# Altium PCB BDCMC_PCB.PcbDoc (part 1 of 2)
Units mil, origin at the board's own origin, x right, y up, seen from the top; angles counter-clockwise.
Board outline 3500 x 2000 mil, 4 copper layers (Top Layer, Mid Layer 1, Mid Layer 2, Bottom Layer), stack 78.937 mil thick; 114 components, 60 nets, 403 pads, 677 vias.
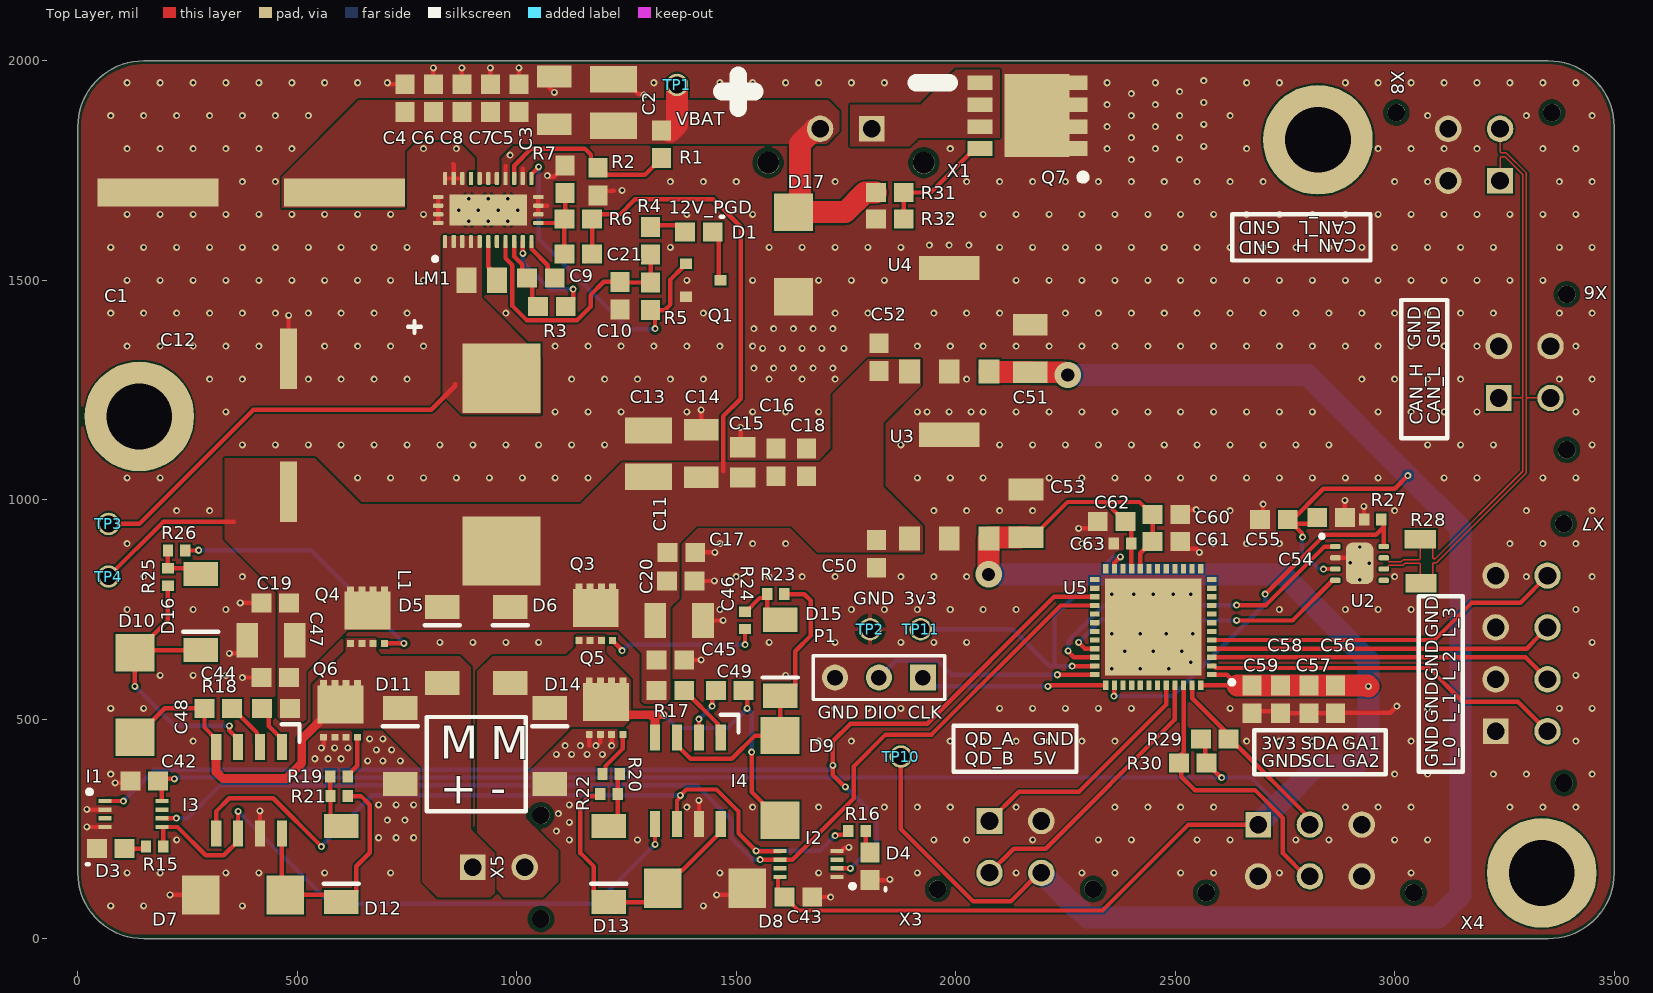
[diagram p0: Top Layer view]
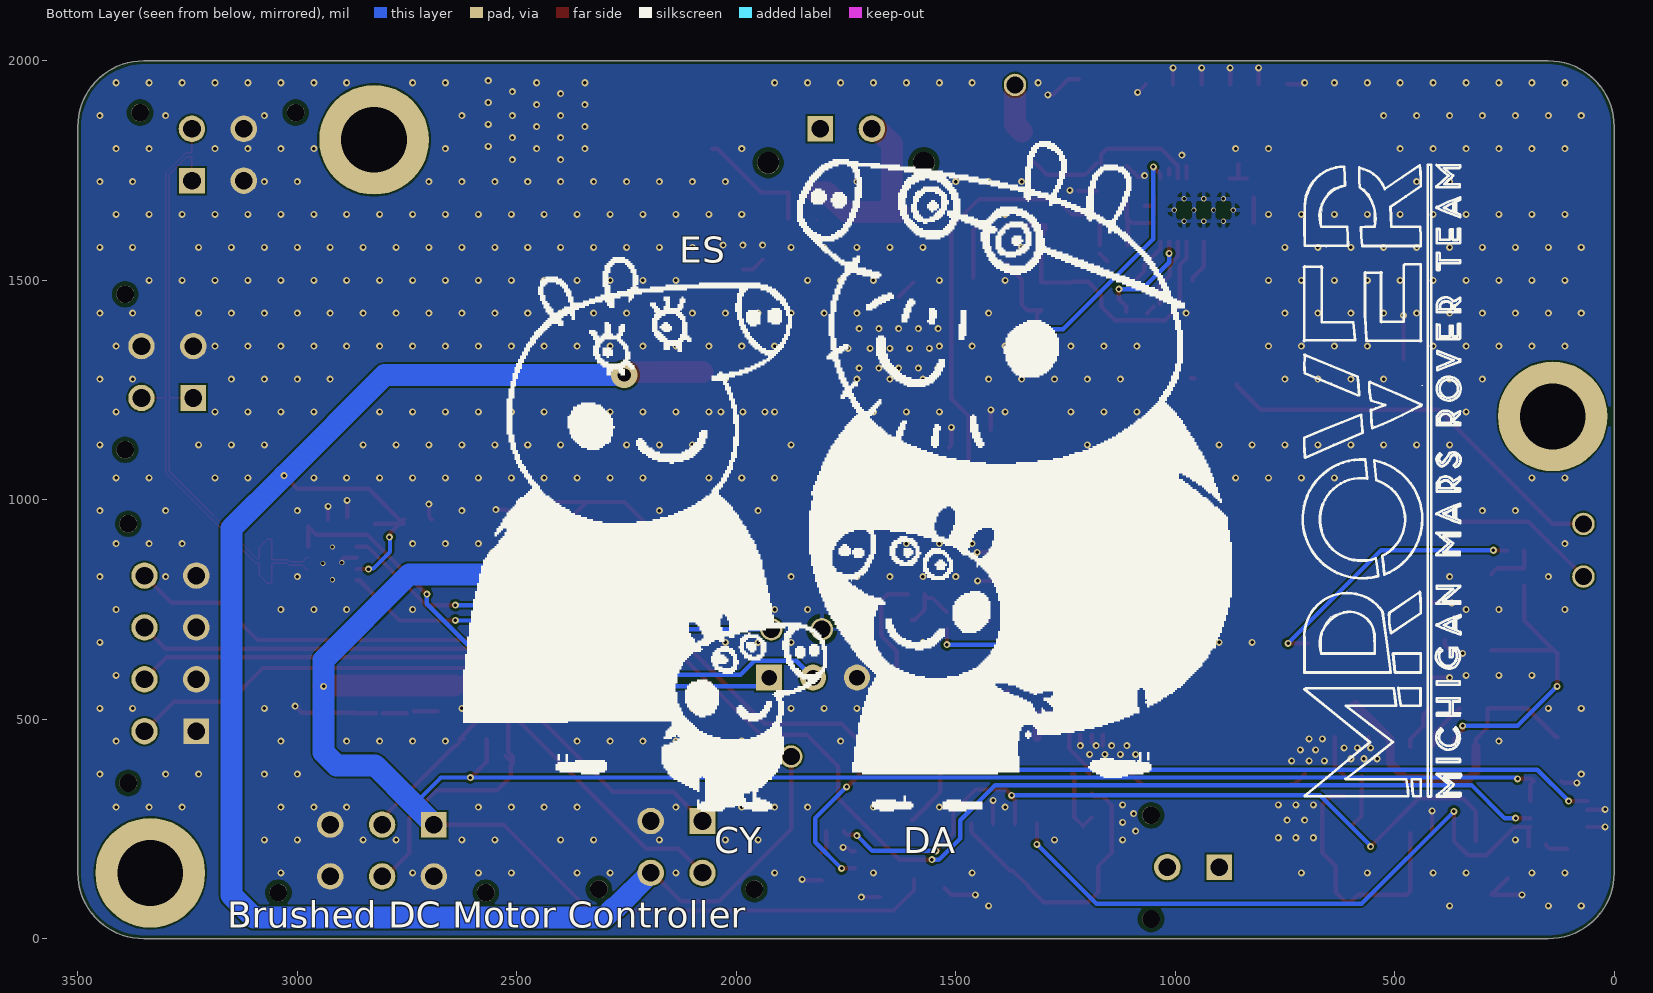
[diagram p1: Bottom Layer view, seen from below]
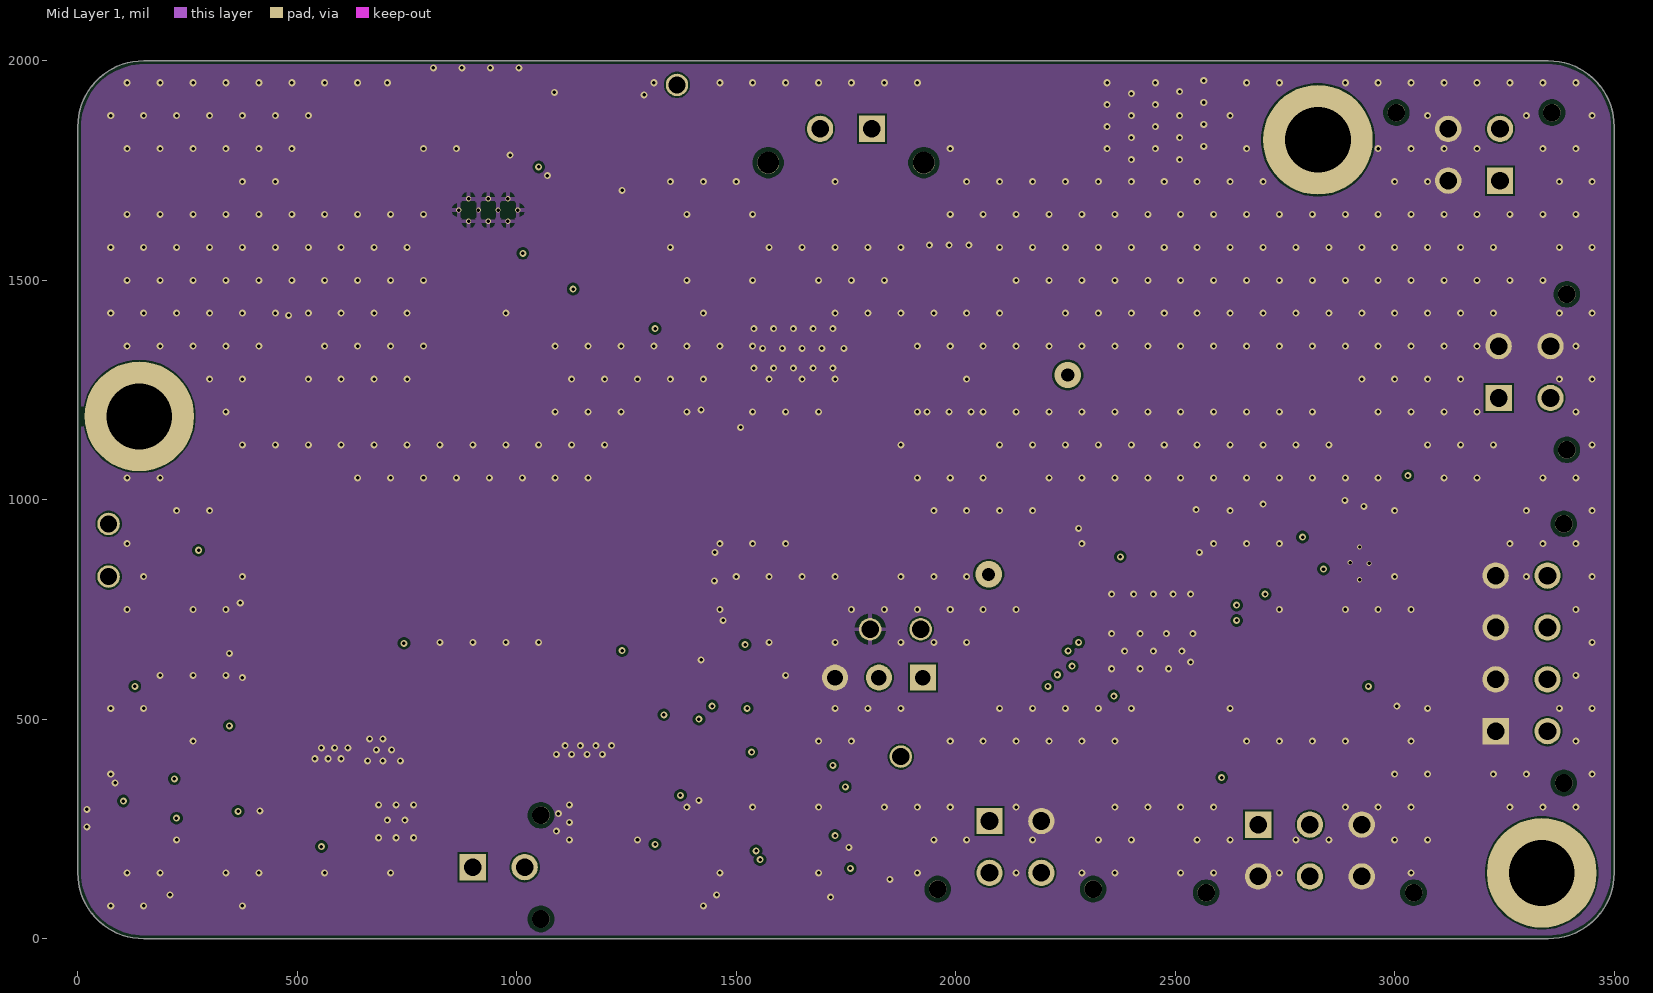
[diagram p2: Mid Layer 1]
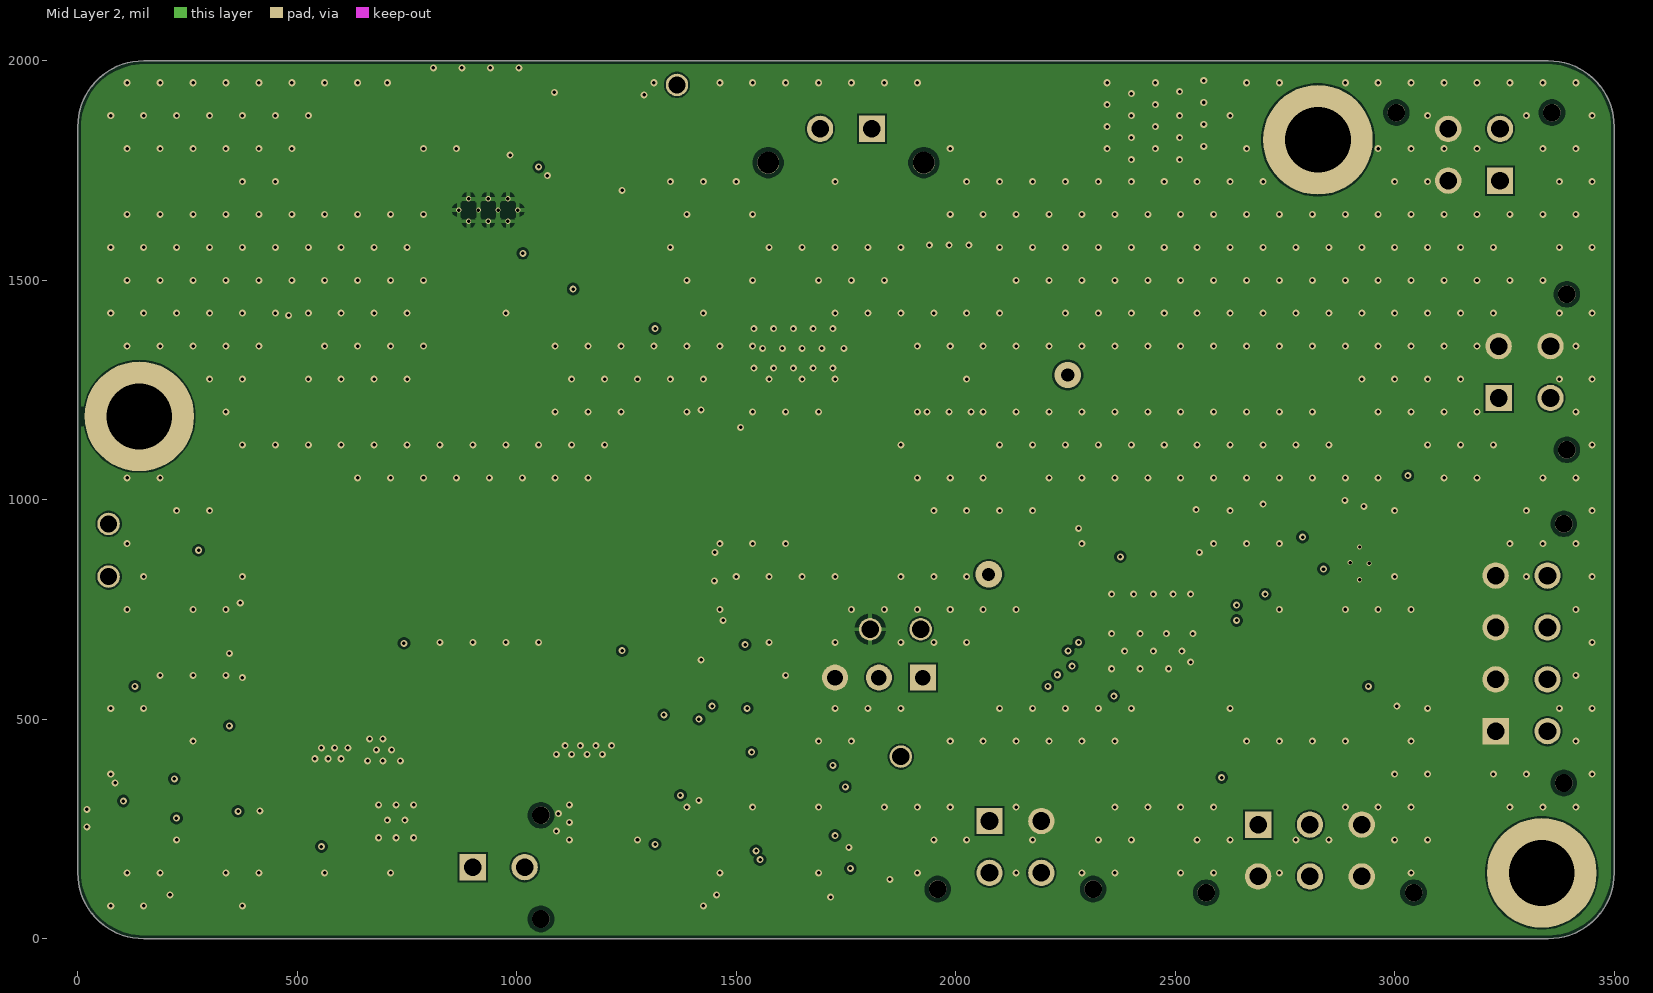
[diagram p3: Mid Layer 2]
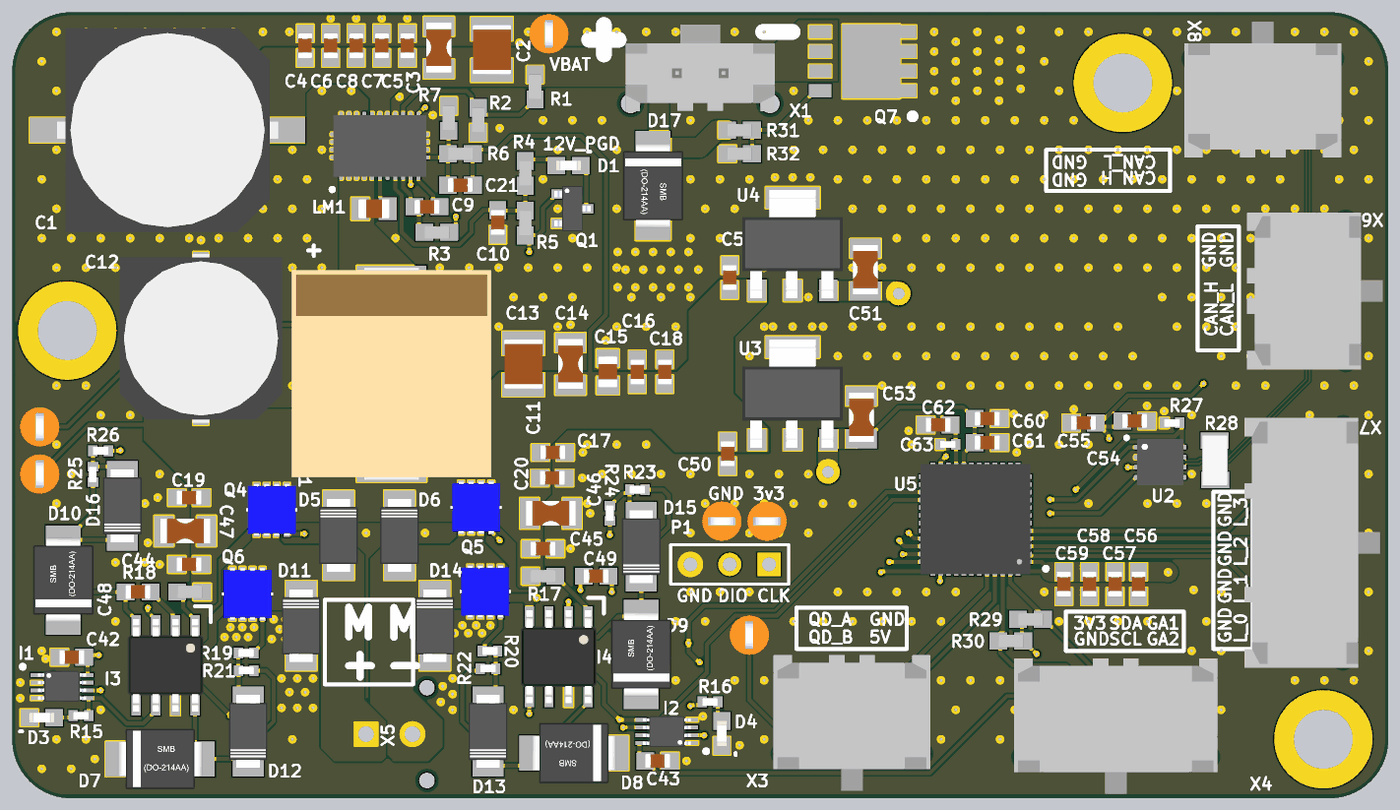
[diagram p5: 3D render of the assembled board from above, using the file's embedded part models]

## Layer stack, top to bottom
Top Solder: solder mask 0.5, Solder Resist, Dk 3.8
Top Layer: signal copper 1.378
Dielectric 1: prepreg 7.874, 7628, Dk 4.6
Mid Layer 1: signal copper 1.378
Core: core 57.677, FR-4, Dk 4.5
Mid Layer 2: signal copper 1.378
Dielectric 2: prepreg 7.874, 7628, Dk 4.6
Bottom Layer: signal copper 1.378
Bottom Solder: solder mask 0.5, Solder Resist, Dk 3.8

## Board outline
0,150 0,1850 cw(c150,1850) 150,2000 3350,2000 cw(c3350,1850) 3500,1850 3500,150 cw(c3350,150) 3350,0 150,0 cw(c150,150)

## Design rules (kind name [scope] priority, off if disabled: settings)
BoardOutlineClearance [All] p1: gap=7.87 ignorepadtopadclearanceinfootprint=FALSE
Clearance [All] p1: gap=4 ignorepadtopadclearanceinfootprint=FALSE except(5: Arc-Via Track-Via SMDPad-Via THPad-Via Via-Via Via-Fill Via-Poly Via-Region Via-Text; 9.84: Arc-Hole Track-Hole SMDPad-Hole THPad-Hole Via-Hole Fill-Hole Poly-Hole Region-Hole Text-Hole)
ComponentClearance [All] p1: gap=4 collisioncheckmode=3 verticalgap=4 showdistances=TRUE
DiffPairsRouting [All] p1: maxlimit=5 minlimit=5 mostfreqgap=5 toplayer_minwidth=3.45 toplayer_maxwidth=3.45 toplayer_prefwidth=3.45 midlayer1_minwidth=0.95 midlayer1_maxwidth=0.95 midlayer1_prefwidth=0.95 midlayer2_minwidth=0.95 midlayer2_maxwidth=0.95 midlayer2_prefwidth=0.95 bottomlayer_minwidth=3.45 bottomlayer_maxwidth=3.45 bottomlayer_prefwidth=3.45 impedanceprofiledriven=TRUE impedanceprofileid={AAC472AD-667E-4645-8B1B-D876D1541575} impedanceprofilevalue=120.000000 maxuncoupledlength=500
Height [All] p1: minheight=0 maxheight=71497.94 prefheight=500
HoleSize [All] p1: absolutevalues=TRUE maxlimit=248.03 minlimit=7.87 maxpercent=80.000 minpercent=20.000
HoleToHoleClearance [All] p1: gap=9.84 allowstackedmicrovias=FALSE
MinimumAnnularRing [All] p1: minimumring=1
MinimumSolderMaskSliver [All] p1: minsoldermaskwidth=0
PlaneClearance [All] p1: clearance=4
PlaneConnect PlaneConnectPowerPads [InPadClass('PowerPads')] p1: planeconnectstyle=Direct reliefexpansion=20 reliefentries=4 reliefconductorwidth=10 reliefairgap=10
PlaneConnect [All] p2: pad.planeconnectstyle=Relief pad.reliefexpansion=11.81 pad.reliefentries=4 pad.reliefconductorwidth=4 pad.reliefairgap=4 via.planeconnectstyle=Direct via.reliefexpansion=11.81 via.reliefentries=4 via.reliefconductorwidth=5 via.reliefairgap=5
PolygonConnect PolygonConnectPowerPads [All vs (InPadClass('PowerPads'))] p1: connectstyle=Direct reliefconductorwidth=10 reliefentries=4 polygonreliefangle="90 Angle" airgapwidth=10
PolygonConnect [All] p2: connectstyle=Direct reliefconductorwidth=4 reliefentries=4 polygonreliefangle="90 Angle" airgapwidth=4
RoutingVias [All] p1: holewidth=7.87 width=17.72 viastyle="Through Hole" minholewidth=7.87 minwidth=17.72 maxholewidth=248.03 maxwidth=257.87
SilkToSilkClearance [All] p1: silktosilkclearance=0
SilkToSolderMaskClearance [IsPad] p1: minsilkscreentomaskgap=4 clearancetoexposedcopper=TRUE
SolderMaskExpansion [All] p1: expansion=2.95 istentingtop=FALSE
Width [InNet('CAN_N')] p1: maxlimit=71497.94 minlimit=4 preferedwidth=4
20 further rules are at their usual default settings.

## Classes and differential pairs
component class MCU_CAN: C50 C51 C52 C53 C54 C55 C56 C57 C58 C59 C60 C61 C62 C63 P1 R27 R28 R29 R30 TP10 TP11 U2 U3 U4 U5
component class HBridge_Top_Level: C42 C43 D3 D4 I1 I2 R15 R16
component class HBridge_Design: C44 C45 C46 C47 C48 C49 D5 D6 D7 D8 D9 D10 D11 D12 D13 D14 D15 D16 I3 I4 Q3 Q4 Q5 Q6 R17 R18 R19 R20 R21 R22 R23 R24 R25 R26
component class Connectors: D17 Q7 R31 R32 X1 X3 X4 X5 X6 X7 X8
component class Motor_12V_Buck: 3 C1 C2 C3 C4 C5 C6 C7 C8 C9 C10 C11 C12 C13 C14 C15 C16 C17 C18 C19 C20 C21 D1 L1 LM1 Q1 R1 R2 R3 R4 R5 R6 R7 TP1 TP2 TP3 TP4
differential pair CAN: +CAN_P -CAN_N

## Components (designator, comment, footprint, x,y, rotation, side; value= is the part's Value field where it differs from the comment)
C1 "100SEV100M12.5X16" ELEC-100U-0001 395,1700 r270 top
C2 "C3225X7R1N106K250AC" CAP-1210 1220,1905 r90 top
C3 "CL31B105KCHNNNE" "CAP-1206 - duplicate" 1085,1905 r90 top
C4 "CC0603KRX7R0BB104" CAP-0603 745,1915 r90 top
C5 "C1608C0G2A103J080AC" CAP-0603 1005,1915 r90 top
C6 "C0603Y102K1RAC7867" CAP-0603 810,1915 r90 top
C7 "0603N101J101CT" CAP-0603 940,1915 r90 top
C8 "0603N100J500CT" CAP-0603 875,1915 r90 top
C9 "CC0603KRX7R9BB333" CAP-0603 1055,1505 r180 top
C10 "UMK107BBJ225KA-T" CAP-0603 1235,1465 r270 top
C11 "KAM21KR72A474KL" CAP-0805 920,1500 r0 top
C12 "50TZV220M10X10.5" ELEC-220U-0003 480,1170 r0 top
C13 "C3225X7R1N106K250AC" CAP-1210 1300,1105 r90 top
C14 "CL31B105KCHNNNE" "CAP-1206 - duplicate" 1420,1100 r90 top
C15 "KAM21KR72A474KL" CAP-0805 1515,1085 r90 top
C16 "CC0603KRX7R0BB104" CAP-0603 1590,1085 r90 top
C17 "C1608C0G2A103J080AC" CAP-0603 1375,880 r0 top
C18 "C0603Y102K1RAC7867" CAP-0603 1660,1085 r90 top
C19 "0603N101J101CT" CAP-0603 450,765 r180 top
C20 "0603N100J500CT" CAP-0603 1373.5,815 r0 top
C21 "885012006087" CAP-0603 1140,1560 r180 top
C42 "CC0603KRX7R0BB104" CAP-0603 151.5,359 r180 top
C43 "CC0603KRX7R0BB104" CAP-0603 1641.5,95 r180 top
C44 "C1608C0G2A103J080AC" CAP-0603 450,595 r180 top
C45 "C1608C0G2A103J080AC" CAP-0603 1350,635 r0 top
C46 "CAP-1U-0001" "CAP-1206 - duplicate" 1365,725 r0 top
C47 "CAP-1U-0001" "CAP-1206 - duplicate" 445,680 r180 top
C48 "CC0603KRX7R0BB104" CAP-0603 320,525 r180 top
C49 "CC0603KRX7R0BB104" CAP-0603 1485,565 r0 top
C50 "CGA3E3X7R1H334K080AB" CAP-0603 1820,876.5 r270 top
C51 "CL31B106KBHNNNE" CAP-1206 2170,1345 r90 top
C52 "CGA3E3X7R1H334K080AB" CAP-0603 1825,1325 r90 top
C53 "CL31B106KBHNNNE" CAP-1206 2160,969.13 r90 top
C54 "TMK107BBJ475KA-T" CAP-0603 2855,960 r0 top
C55 "CC0603KRX7R0BB104" CAP-0603 2725,955 r180 top
C56 "TMK107BBJ475KA-T" CAP-0603 2865,545 r270 top
C57 "CC0603KRX7R0BB104" CAP-0603 2805,545 r270 top
C58 "CC0603KRX7R0BB104" CAP-0603 2740,545 r270 top
C59 "CC0603KRX7R0BB104" CAP-0603 2675,545 r270 top
C60 "UMK107AB7105KA-T" CAP-0603 2480,966 r0 top
C61 "CC0603KRX7R0BB104" CAP-0603 2480,905 r0 top
C62 "UMK107AB7105KA-T" CAP-0603 2355,950 r180 top
C63 "CC0402KRX7R0BB103" CAP-0402 2380,900 r180 top
D1 "150060AS75000" LED-0603 1415,1610 r0 top
D3 "150060AS75000" LED-0603 75,205 r180 top
D4 "150060AS75000" LED-0603 1805,165 r270 top
D5 "PMEG6030EP,115" DIO-SOD128 830,669 r180 top
D6 "PMEG6030EP,115" DIO-SOD128 985,669 r180 top
D7 "SMBJ12CA" "DO-214AA (SMBJ)" 375,100 r0 top
D8 "SMBJ12CA" "DO-214AA (SMBJ)" 1430,115 r180 top
D9 "SMBJ12CA" "DO-214AA (SMBJ)" 1600,365 r90 top
D10 "SMBJ12CA" "DO-214AA (SMBJ)" 130,554 r90 top
D11 "PMEG6030EP,115" DIO-SOD128 735,439 r180 top
D12 "PMEG6030EP,115" DIO-SOD128 600,170 r0 top
D13 "PMEG6030EP,115" DIO-SOD128 1210,170 r0 top
D14 "PMEG6030EP,115" DIO-SOD128 1075,439 r180 top
D15 "PMEG6030EP,115" DIO-SOD128 1600,640 r0 top
D16 "PMEG6030EP,115" DIO-SOD128 280,744 r0 top
D17 "SMBJE43CAH" "DO-214AA (SMBJ)" 1630,1560 r270 top
I1 "SN74LVC2G157DCUR" IC-MUX-8VSSOP 61.57,254.63 r0 top
I2 "SN74LVC2G157DCUR" IC-MUX-8VSSOP 1729.92,199.69 r180 top
I3 "UCC27284QDQ1" IC-BUCK-8SOIC 390,338.43 r180 top
I4 "UCC27284QDQ1" IC-BUCK-8SOIC 1390,360 r180 top
L1 "SRP1270-100M" PWRIND-10U-0002 965,1080 r270 top
LM1 "LM76005RNPR" IC-30-WQFN(6x4) 935,1660 r90 top
P1 "Header 3" HDR1X3 1925,595 r180 top
Q1 "T2N7002AK,LM" NMOS-SOT23-3 1425,1500 r270 top
Q3 "TPN11006PL,LQ" NMOS-8TSON 1180,740 r0 top
Q4 "TPN11006PL,LQ" NMOS-8TSON 660,734 r0 top
Q5 "TPN11006PL,LQ" NMOS-8TSON 1203.39,526.02 r0 top
Q6 "TPN11006PL,LQ" NMOS-8TSON 598.39,520.02 r0 top
Q7 "TPH7R006PL,L1Q" NMOS-8PowerVDFN 2275,1800 r90 top
R1 "RC0603FR-072M15L" RES-0603 1330,1810 r90 top
R2 "RC0603FR-07100KL" RES-0603 1185,1725 r270 top
R3 "RC0603FR-0776K8L" RES-0603 1080,1440 r180 top
R4 "AC0603FR-10100RL" RES-0603 1305,1590 r90 top
R5 "RC0603FR-0710KP" RES-0603 1305,1463.5 r90 top
R6 "RC0603FR-07100KL" RES-0603 1140,1640 r180 top
R7 "RC0603FR-079K09L" RES-0603 1110,1730 r90 top
R15 "RC0402JR-07100RP" RES-0402 175,210 r180 top
R16 "RC0402JR-07100RP" RES-0402 1775,245 r0 top
R17 "RNCP0603FTD1R00" RES-0603 1350,565 r180 top
R18 "RNCP0603FTD1R00" RES-0603 451.5,525 r0 top
R19 "RC0402JR-0733RP" RES-0402 595,370 r0 top
R20 "RC0402JR-0733RP" RES-0402 1215,375 r0 top
R21 "RC0402JR-0733RP" RES-0402 595.32,325 r0 top
R22 "RC0402JR-0733RP" RES-0402 1210,330 r180 top
R23 "RC0402JR-0733RP" RES-0402 1590,785 r0 top
R24 "RC0402JR-0733RP" RES-0402 1520,725.32 r270 top
R25 "RC0402JR-0733RP" RES-0402 205,824 r270 top
R26 "RC0402JR-0733RP" RES-0402 225,884 r0 top
R27 "RC0402FR-074K7P" RES-0402 2950,955 r0 top
R28 "CRGH1206F120R" RES-1206 3060,860 r90 top
R29 "AF0603FR-074K7L" RES-0603 2590,455 r180 top
R30 "AF0603FR-074K7L" RES-0603 2540,400 r0 top
R31 "ERJ-3EKF2003V" RES-0603 1850,1700 r0 top
R32 "RC0603FR-07100KL" RES-0603 1850,1640 r0 top
TP1 "5003" TEST-POINT-0001 1365,1945 r270 top
TP2 "5003" TEST-POINT-0001 1805,705 r0 top
TP3 "5003" TEST-POINT-0001 70,945 r90 top
TP4 "5003" TEST-POINT-0001 70,825 r90 top
TP10 "5003" TEST-POINT-0001 1875,415 r270 top
TP11 "5003" TEST-POINT-0001 1920,705 r180 top
U2 "TCAN1042HGDRBTQ1" IC-8-VSON 2920,855 r0 top
U3 "UA78M33CDCYR" IC-SOT-223-4 1985,1030 r90 top
U4 "UA78M05IDCYR" IC-SOT-223-4 1985,1410 r90 top
U5 "STM32G431CBU6" MCU-UFQFPN48 2450,710 r180 top
X1 "Molex 43650-0215" 43650-0215 1750,1845 r0 top
X3 "Molex 43045-0412" 43045-0412 2135.94,268.11 r180 top
X4 "Molex 43045-0612" 43045-0612 2806.89,260 r180 top
X5 "Molex - Micro-Fit 3.0 Series connector,  3.00mm (0.118\") pitch header, 2 positions." 43045-0212 899.88,163.11 r270 top
X6 "Molex 43045-0412" 43045-0412 3236.89,1290.94 r270 top
X7 "Molex 43045-0812" 43045-0812 3230,650 r270 top
X8 "Molex 43045-0412" 43045-0412 3180.94,1726.89 r0 top

## Footprints (in the part's own frame and the unit in brackets; to place one, negate y for a bottom-side part, rotate by r counter-clockwise, add the part's x,y. Pads: shape width x height; smd on the part's side, far side on the other; paste and mask are expansions set on the pad)
43045-0212 [mm]
  round 1.02 hole 1.02 unplated: 1(-3,3.94) 1(3,3.94)
  rect 1.482x1.482 / inner rect 1.524x1.524 / far side rect 1.482x1.482 hole 1.02: P$1(0,0)
  round 1.53 / inner round 1.524 / far side round 1.53 hole 1.02: P$2(0,3)
43045-0412 [mm]
  round 1.02 hole 1.02 unplated: 1(-4.5,3.94) 1(4.5,3.94)
  rect 1.482x1.482 / inner rect 1.524x1.524 / far side rect 1.482x1.482 hole 1.02: P$1(1.5,0)
  round 1.53 / inner round 1.524 / far side round 1.53 hole 1.02: P$2(-1.5,0) P$3(1.5,3) P$4(-1.5,3)
  body extent -5.07,-2.45 5.08,6.32, height 10.03
43045-0612 [mm]
  round 1.02 hole 1.02 unplated: 1(-6,3.94) 1(6,3.94)
  rect 1.482x1.482 / inner rect 1.524x1.524 / far side rect 1.482x1.482 hole 1.02: P$1(3,0)
  round 1.53 / inner round 1.524 / far side round 1.53 hole 1.02: P$2(0,0) P$3(-3,0) P$4(3,3) P$5(0,3) P$6(-3,3)
  body extent -6.57,-2.45 6.58,6.32, height 10.03
43045-0812 [mm]
  round 1.02 hole 1.02 unplated: 1(-7.5,3.94) 1(7.5,3.94)
  rect 1.482x1.482 / inner rect 1.524x1.524 / far side rect 1.482x1.482 hole 1.02: P$1(4.5,0)
  round 1.53 / inner round 1.524 / far side round 1.53 hole 1.02: P$2(1.5,0) P$3(-1.5,0) P$4(-4.5,0) P$5(4.5,3) P$6(1.5,3) P$7(-1.5,3) P$8(-4.5,3)
  body extent -8.07,-2.45 8.08,6.32, height 10.03
43650-0215 [mil]
  round 50 hole 50 unplated: 1(-177.17,-77.17) 1(177.17,-77.17)
  rect 58.33x58.33 / inner rect 60x60 / far side rect 58.33x58.33 hole 40.16: P$1(59.06,0)
  round 60.24 / inner round 60 / far side round 60.24 hole 40.16: P$2(-59.06,0)
  body extent -190,-97 190,123, height 395
CAP-0402 [mm]
  rect 0.6x0.7 smd: 1(-0.5,0) 2(0.5,0)
  body extent -0.5,-0.22 0.5,0.23, height 0.5
CAP-0603 [mm]
  rect 1.15x1.1 smd: 1(-0.8,0) 2(0.8,0)
  body extent -0.8,-0.45 0.8,0.45, height 0.8
CAP-0805 [mm]
  rect 1.16x1.47 smd: 1(-0.88,0) 2(0.88,0)
  body extent -1,-0.63 1,0.63, height 0.94
CAP-1206 [mm]
  rect 1.25x2 smd: 1(-1.375,0) 2(1.375,0)
  body extent -1.6,-0.8 1.6,0.8, height 1.5
"CAP-1206 - duplicate" [mm]
  rect 1.25x2 smd: 1(-1.248,0) 2(1.502,0)
  body extent -1.47,-0.8 1.73,0.8, height 1.5
CAP-1210 [mm]
  rect 1.53x2.72 smd: 1(-1.341,0) 2(1.341,0)
  body extent -1.6,-1.25 1.6,1.25, height 2.7
DIO-SOD128 [mm]
  rect 2x1.4 smd: 1(0,2.2) 2(0,-2.2)
  silkscreen extent -1.02,-1.14 1.02,-1.14, body extent -1.25,-2.35 1.25,2.35, height 1.05
"DO-214AA (SMBJ)" [mm]
  rect 2.16x2.26 smd: 1(-2.416,0) 2(2.484,0)
  body extent -2.72,-1.95 2.78,1.95, height 2.45
ELEC-100U-0001 [mm]
  rect 1.6x7 smd: 1(0,5.4) 2(0,-5.4)
  silkscreen extent 7.45,9.08 8.13,9.82, body extent -6.6,-7.15 6.6,7.15, height 16.56
ELEC-220U-0003 [mm]
  rect 1x3.5 smd: 1(0,-3.85) 2(0,3.85)
  body extent -5.25,-5.45 5.25,5.45, height 10.54
HDR1X3 [mm] "Connector; Header; 3 Position"
  rect 1.5x1.5 hole 0.9: 1(0,0)
  round 1.5 hole 0.9: 2(2.54,0) 3(5.08,0)
  silkscreen extent -1.27,-1.27 6.35,1.27
IC-8-VSON [mm]
  rrect50% 0.6x0.3 smd mask+0.07: 1(-1.4,0.975) 2(-1.4,0.325) 3(-1.4,-0.325) 4(-1.4,-0.975) 5(1.4,-0.975) 6(1.4,-0.325) 7(1.4,0.325) 8(1.4,0.975)
  rrect50% 1.6x2.4 smd: 9(0,0)
  silkscreen extent -2.26,1.48 -2.08,1.67, body extent -1.5,-1.5 1.5,1.5, height 1
IC-30-WQFN(6x4) [mm] "30 pin WQFN with exposed pad"
  rrect50% 0.75x0.25 smd mask+0.07: 1(-1.825,2.5) 2(-1.825,2) 3(-1.825,1.5) 4(-1.825,1) 5(-1.825,0.5) 6(-1.825,0) 7(-1.825,-0.5) 8(-1.825,-1) 9(-1.825,-1.5) 10(-1.825,-2) 11(-1.825,-2.5) 16(1.825,-2.5) 17(1.825,-2) 18(1.825,-1.5) 19(1.825,-1) 20(1.825,-0.5) 21(1.825,0) 22(1.825,0.5) 23(1.825,1) 24(1.825,1.5) 25(1.825,2) 26(1.825,2.5)
  rrect50% 0.25x0.6 smd mask+0.07: 12(-0.75,-2.9) 13(-0.25,-2.9) 14(0.25,-2.9) 15(0.75,-2.9) 27(0.75,2.9) 28(0.25,2.9) 29(-0.25,2.9) 30(-0.75,2.9)
  rect 1.8x4.5 smd: 31(0,0)
  silkscreen extent -2.94,2.96 -2.71,3.19, body extent -2,-3 2,3, height 0.8
IC-BUCK-8SOIC [mm]
  rect 0.6x1.5 smd: 1(-1.905,-2.5) 2(-0.635,-2.5) 3(0.635,-2.5) 4(1.905,-2.5) 5(1.905,2.5) 6(0.635,2.5) 7(-0.635,2.5) 8(-1.905,2.5)
  silkscreen extent -2.92,-3.81 -1.9,-2.79, body extent -2.45,-3 2.45,3, height 1.75
IC-MUX-8VSSOP [mm]
  rect 0.75x0.25 smd: 1(0,1.5) 2(0,1) 3(0,0.5) 4(0,0) 5(3.3,0) 6(3.3,0.5) 7(3.3,1) 8(3.3,1.5)
  silkscreen extent -1.02,1.91 -0.76,2.16, body extent 0.1,-0.24 3.2,1.76, height 0.9
IC-SOT-223-4 [mm]
  rect 1.4x1.2 smd mask+0.07: 1(-3,2.3) 2(-3,0) 3(-3,-2.3)
  rect 1.4x3.5 smd: 2(3,0)
  body extent -3.5,-3.25 3.5,3.25, height 1.68
LED-0603 [mm]
  rect 1.15x1.1 smd: 1(-0.8,0) 2(0.8,0)
  silkscreen extent 1.27,0.89 1.4,0.89, body extent -0.8,-0.3 0.8,0.3, height 1
MCU-UFQFPN48 [mm] "STM32G431CBU6"
  rect 0.55x0.3 smd mask+0.07: 1(-3.375,2.75) 2(-3.375,2.25) 3(-3.375,1.75) 4(-3.375,1.25) 5(-3.375,0.75) 6(-3.375,0.25) 7(-3.375,-0.25) 8(-3.375,-0.75) 9(-3.375,-1.25) 10(-3.375,-1.75) 11(-3.375,-2.25) 12(-3.375,-2.75) 25(3.375,-2.75) 26(3.375,-2.25) 27(3.375,-1.75) 28(3.375,-1.25) 29(3.375,-0.75) 30(3.375,-0.25) 31(3.375,0.25) 32(3.375,0.75) 33(3.375,1.25) 34(3.375,1.75) 35(3.375,2.25) 36(3.375,2.75)
  rect 0.3x0.55 smd mask+0.07: 13(-2.75,-3.375) 14(-2.25,-3.375) 15(-1.75,-3.375) 16(-1.25,-3.375) 17(-0.75,-3.375) 18(-0.25,-3.375) 19(0.25,-3.375) 20(0.75,-3.375) 21(1.25,-3.375) 22(1.75,-3.375) 23(2.25,-3.375) 24(2.75,-3.375) 37(2.75,3.375) 38(2.25,3.375) 39(1.75,3.375) 40(1.25,3.375) 41(0.75,3.375) 42(0.25,3.375) 43(-0.25,3.375) 44(-0.75,3.375) 45(-1.25,3.375) 46(-1.75,3.375) 47(-2.25,3.375) 48(-2.75,3.375)
  rect 5.6x5.6 smd: 49(0,0)
  silkscreen extent -4.68,3.08 -4.43,3.32, body extent -3.56,-3.56 3.56,3.56, height 0.61
NMOS-8PowerVDFN [mm]
  rect 0.85x1.45 smd: 1(0,5.588) 2(1.27,5.588) 2(2.54,5.588) 2(3.81,5.588)
  rect 0.85x1.05 smd: 3(0,-0.112) 3(1.27,-0.112) 3(2.54,-0.112) 3(3.81,-0.112)
  rect 4.8x3.75 smd: 3(1.905,2.286)
  silkscreen extent -1.91,-0.64 -1.4,-0.13
NMOS-8TSON [mm]
  rect 0.4x0.4 smd: 1(0.975,-1.55) 2(-0.975,-1.55) 2(-0.325,-1.55) 2(0.325,-1.55)
  rect 0.4x0.3 smd: 3(-0.975,1.6) 3(-0.325,1.6) 3(0.325,1.6) 3(0.975,1.6)
  rect 2.65x2.2 smd: 3(0,0.35)
  body extent -1.65,-1.65 1.65,1.65, height 0.85
NMOS-SOT23-3 [mm]
  rect 0.6x0.7 smd: 1(-0.95,-1) 2(0.95,-1) 3(0,1)
  body extent -1.46,-1.18 1.46,1.19, height 1.12
PWRIND-10U-0002 [mm]
  rect 4x4.5 smd: 1(-5,0) 2(5,0)
  body extent -6.85,-6.45 6.85,6.45, height 7.06
RES-0402 [mm]
  rect 0.6x0.7 smd: 1(-0.5,0) 2(0.5,0)
  body extent -0.5,-0.25 0.5,0.25, height 0.3
RES-0603 [mm]
  rect 1.15x1.1 smd: 1(-0.8,0) 2(0.8,0)
  body extent -0.8,-0.4 0.8,0.4, height 0.43
RES-1206 [mm]
  rect 1.05x1.8 smd: 1(-1.275,0) ""(1.275,0.043)
  body extent -1.6,-0.77 1.6,0.82, height 0.55
TEST-POINT-0001 [mm] "2024 miniature test point"
  round 1.3 hole 1: 1(0,0)
  body extent -1.27,-1.27 1.27,1.27, height 4.57

## Part data
C1: library part ELEC-100U-0001, "100 µF 100 V Aluminum Electrolytic Capacitors Radial, Can - SMD 2000 Hrs @ 85°C", Capacitance="100 uF", Manufacturer=Rubycon, Tolerance="+/- 20%", Voltage="100 V", Assembled?=No, ESR="idk check the datasheet i couldnt find it"
C2 C13: library part CAP-10U-0004, "10 µF ±10% 75V Ceramic Capacitor X7R 1210 (3225 Metric)", Capacitance="10 uF +/- 10%", Voltage Rating=75V
C3 C14: library part CAP-1U-0001, "1 µF ±10% 100V Ceramic Capacitor X7R 1206 (3216 Metric)", Capacitance="1 uF +/- 10%", Voltage=100V
C4 C16 C42 C43 C48 C49 C55 C57 C58 C59 C61: library part CAP-100N-0001, "CAP CER 0.1UF 100V X7R 0603", Capacitance="100nF +/-10%", Manufacturer=YAGEO, Package Size=0603, Temperature Coefficient=X7R, Voltage Rating=100V, Assembled?=no, Manufacturer Part Number=CC0603KRX7R0BB104
C5 C17 C44 C45: library part CAP-10N-0002, "CAP CER 10000PF 100V C0G 0603", Capacitance="10nF +/-5%", Manufacturer="TDK Corporation", Package Size=0603, Temperature Coefficient=C0G/NP0, Voltage Rating=100V, Assembled?=no, Manufacturer Part Number=C1608C0G2A103J080AC
C6 C18: library part CAP-1N-0001, "1000 pF ±10% 100V Ceramic Capacitor X7R 0603 (1608 Metric)", Capacitance="1 nF +/-10%", Voltage=100V
C7 C19: library part CAP-100P-0002, "100 pF ±5% 100V Ceramic Capacitor C0G, NP0 0603 (1608 Metric)", Capacitance="100 pF", Package Size=0603, Temp Coeff=C0G/NP0, Tolerance=+/-5%, Voltage=100V
C8 C20: library part CAP-10P-0001, "10 pF ±5% 50V Ceramic Capacitor C0G, NP0 0603 (1608 Metric)", Capacitance="10 pF +/- 5%", Manufacturer="Walshin Technology Corporation", Package Size=0603, Temperature Coefficient="C0G, NP0", Voltage Rating=50V, Assembled?=Yes, Manufacturer Part Number=0603N100J500CT
C9: library part CAP-33N-0001, "0.033 µF ±10% 50V Ceramic Capacitor X7R 0603 (1608 Metric)", Capacitance="33nF +/-10%", Manufacturer=YAGEO, Package Size=0603, Temperature Coefficient=X7R, Voltage Rating=50V, Assembled?=no, Manufacturer Part Number=CC0603KRX7R9BB333
C10: library part CAP-2.2U-0001, "2.2 µF ±10% 50V Ceramic Capacitor X5R 0603 (1608 Metric)", Capacitance="2.2 uF", oltage=50V
C11 C15: library part CAP-0.47U-0001, "0.47 µF ±10% 100V Ceramic Capacitor X7R 0805 (2012 Metric)", Capacitance="0.47 uF", Package Size=0805, Temperature Coefficient=X7R, Tolerance="+/- 10%", Voltage=100V, Assembled?=No
C12: library part ELEC-220U-0003, "220 µF 50 V Aluminum Electrolytic Capacitors Radial, Can - SMD 2000 Hrs @ 105°C", Capacitance="220 uF +/- 20%", Voltage Rating=50V, Size=.406inx.406in*.413in
C21: library part CAP-1P-0001, "1 pF ±0.25pF 100V Ceramic Capacitor C0G, NP0 0603 (1608 Metric)", Capacitance="1 pF", Package Size=0603, Temperature Coefficient=C0G/NP0, Tolerance="+/- 0.25 pF", Voltage=100V, Assembled?=No
C46 C47: "1 µF ±10% 100V Ceramic Capacitor X7R 1206 (3216 Metric)", Capacitance="1 uF +/- 10%", Voltage=100V
C50 C52: library part CAP-0.33uF-0001, "0.33 µF ±10% 50V Ceramic Capacitor X7R 0603 (1608 Metric)", Capacitance="0.33 uF", Manufacturer="TDK Corporation", Temperature Coefficient=X7R, Tolerance="+/- 10%", Voltage=50V, Manufacturer Part Number=CGA3E3X7R1H334K080AB
C51 C53: library part CAP-10U-0001, "10 µF ±10% 50V Ceramic Capacitor X7R 1206 (3216 Metric)", Capacitance="10uF +/-20%", Manufacturer="Samsung Electro-Mechanics", Package Size=1206, Temperature Coefficient=X7R, Voltage Rating=50V, Assembled?=no, Manufacturer Part Number=CL31B106KBHNNNE
C54 C56: library part CAP-4.7U-0001, "4.7 µF ±10% 25V Ceramic Capacitor X5R 0603 (1608 Metric)", Capacitance="4.7uF +/-10%", Manufacturer="Taiyo Yuden", Package Size=0603, Temperature Coefficient=X5R, Voltage Rating=25V, Assembled?=no, Manufacturer Part Number=TMK107BBJ475KA-T
C60 C62: library part CAP-1U-0002, "1 µF ±10% 50V Ceramic Capacitor X7R 0603 (1608 Metric)", Capacitance="1 uF", Package Size=0603, Voltage=50V
C63: library part CAP-10N-0001, "10000 pF ±10% 100V Ceramic Capacitor X7R 0402 (1005 Metric)", Capacitance="10nF +/-10%", Manufacturer=YAGEO, Package Size=0402, Temperature Coefficient=X7R, Voltage Rating=100V, Assembled?=no, Manufacturer Part Number=CC0402KRX7R0BB103
D1 D3 D4: library part LED_Amber_0001, "CAP CER 0.1UF 100V X7R 0603", Color=Amber, Current Rating=20mA, Manufacturer="Wurth Electronik", Package Size=0603, Assembled?=no, Manufacturer Part Number=150060AS75000, Vf=2V
D5 D6 D11 D12 D13 D14 D15 D16: library part DIO-0.53V-0001, "Diode Schottky 60 V 3A Surface Mount SOD-128/CFP5", Current Rating=3A, Manufacturer="Nexperia USA Inc.", Package=SOD-128/CFP5, Vf (Voltage Forward)="530 mV", assembled=no, Manufacturer Part Number=PMEG6030EP,115
D7 D8 D9 D10: library part DIO-19.9V-0001, "19.9V Clamp 30.2A Ipp Tvs Diode Surface Mount DO-214AA (SMBJ)", Breakdown Voltage=13.3, Current Rating=30.2A, Manufacturer="Littlefuse Inc.", Package="DO-214AA (SMBJ)", Standoff Voltage=12V, assembled=No, Manufacturer Part Number=SMBJ12CA
D17: library part DIO-69.4V-0001, "69.4V Clamp 8.7A Ipp Tvs Diode Surface Mount DO-214AA (SMBJ)", Breakdown Voltage=47.8V, Package="DO-214AA (SMBJ)", Peak pulser current=8.7A, Reverse working maximum voltage=43V, Channels=Bidirectional, Vclamp=69.4V
I1: library part IC-MUX-0001
I2: library part IC-MUX-0001, "Multiplexer 1 x 2:1 8-VSSOP", Vin=1.65-5.5V
I3 I4: library part IC-GDRV-0001, "Gate Drivers Automotive 3-A, 120-V half bridge gate driver with 5-V UVLO and enable 8-SOIC -40 to 125", Load Voltage-Max=120V, Manufacturer="Texas Instruments", Package=SOIC-8, Supply Current=3A, Assembled?=no, Manufacturer Part Number=UCC27284QDQ1, VCC-Max=16V, VCC-Min=5.5V
L1: library part PWRIND-10U-0002, "10 µH Shielded Drum Core, Wirewound Inductor 10 A 16.8mOhm Max Nonstandard", Inductance="10 uH", Tolerance="+/- 20%", Assembled?=No, DCI="10 A", DCR="16.8 mOhm", Isat=16A
LM1: library part IC-BUCK-0006, "Buck Switching Regulator IC Positive Adjustable 1V 1 Output 5A 30-WFQFN Exposed Pad", Current=5A, Manufacturer="Texas Instruments", Package=30-WFQFN, Assembled?=no, Manufacturer Part Number=LM76005RNPR, Type=Buck
P1: "Header, 3-Pin", LatestRevisionDate=17-Jul-2002, LatestRevisionNote="Re-released for DXP Platform.", Publisher="Altium Limited"
Q1: library part NMOS-200MA-0001, "MOSFET N-CH 60V 200MA SOT23", Manufacturer=Toshiba, Package=SOT-23-3, Assembled?=no, FET type=N-Channel, Id-Continuous=200mA, Manufacturer Part Number=T2N7002AK,LM, Rds On-Max=3.9Ohm, VDS-Max=60V, Vgs-Max=20V
Q3 Q4 Q5 Q6: library part NMOS-26A-0001, "MOSFET N-CH 60V 200MA SOT23", Manufacturer=Toshiba, Package="8-TSON Advance", Assembled?=no, FET type=N-Channel, Id-Continuous=26A, Manufacturer Part Number=TPN11006PL,LQ, Rds On-Max=18.1mOhm, VDS-Max=60V, Vgs-Max=20V
Q7: library part NMOS-60A-0001, "N-Channel 60 V 60A (Tc) 81W (Tc) Surface Mount 8-SOP Advance (5x5)", Drain Current=60A, Package=8-PowerVDFN, Vdss=60V, Vgs="2.5V @ 220uA", Vgs(Max)=20V
R1: library part RES-2.15M-0001, "2.15 MOhms ±1% 0.1W, 1/10W Chip Resistor 0603 (1608 Metric) Moisture Resistant Thick Film", Package Size=0603, Power="1/10 W", Resistance="2.15 MOhm", Tolerance=+/-1%, Assembled?=No
R2 R6 R32: library part RES-100K-0003, "100 kOhms ±1% 0.1W, 1/10W Chip Resistor 0603 (1608 Metric) Moisture Resistant Thick Film", Package Size=0603, Power="1/10 W", Resistance="100 kOhm", Tolerance="+/- 1%", Assembled?=No
R3: library part RES-76.8K-0001, "76.8 kOhms ±1% 0.1W, 1/10W Chip Resistor 0603 (1608 Metric) Moisture Resistant Thick Film", Manufacturer=Yageo, Package Size=0603, Power="1/10 W", Resistance="76.8 kOhm", Tolerance="+/- 1%"
R4: library part RES-100-0002, "100 Ohms ±1% 0.1W, 1/10W Chip Resistor 0603 (1608 Metric) Automotive AEC-Q200 Thick Film", Manufacturer=YAGEO, Package Size=0603, Power Rating=1/10W, Resistance="100Ohm +/-1%", Assembled?=no, Manufacturer Part Number=AC0603FR-10100RL
R5: library part RES-10K-0002, "RES SMD 10K OHM 1% 1/10W 0603", Manufacturer=YAGEO, Package Size=0603, Power Rating=1/10W, Resistance="10kOhm +/-1%", Assembled?=no, Manufacturer Part Number=RC0603FR-0710KP
R7: library part RES-9.09K-0001, "9.09 kOhms ±1% 0.1W, 1/10W Chip Resistor 0603 (1608 Metric) Moisture Resistant Thick Film", Package Size=0603, Power="1/10 W", Resistance="9.09 kOhm", Tolerance=+/-1%, Assembled?=No
R15 R16: library part RES-100-0001, "RES SMD 100 OHM 5% 1/16W 0402", Manufacturer=YAGEO, Package Size=0402, Power Rating=1/16W, Resistance="100Ohm +/-5%", Assembled?=no, Manufacturer Part Number=RC0402JR-07100RP
R17 R18: library part RES-1-0001, "1 Ohms ±1% 0.125W, 1/8W Chip Resistor 0603 (1608 Metric) Anti-Sulfur Thin Film", Power="1/8 W", Resistance="1 Ohms ±1%"
R19 R20 R21 R22 R23 R24 R25 R26: library part RES-33-0001, "RES SMD 33 OHM 5% 1/16W 0402", Manufacturer=YAGEO, Package Size=0402, Power Rating=1/16W, Resistance="33Ohm +/-5%", Assembled?=no, Manufacturer Part Number=RC0402JR-0733RP
R27: library part RES-4.7K-0001, "RES SMD 4.7K OHM 1% 1/16W 0402", Manufacturer=YAGEO, Package Size=0402, Power Rating=1/16W, Resistance="4.7kOhm +/-1%", Assembled?=no, Manufacturer Part Number=RC0402FR-074K7P
R28: library part RES-120-0002, "120 Ohms ±1% 0.5W, 1/2W Chip Resistor 1206 (3216 Metric) Thick Film", Package Size=1206, Power="0.5 W", Resistance="120 Ohm", Tolerance=1%
R29 R30: library part RES-4.7K-0002, "RES SMD 4.7K OHM 1% 1/10W 0603", Manufacturer=YAGEO, Package Size=0603, Power Rating=1/10W, Resistance="4.7kOhm +/-1%", Assembled?=no, Manufacturer Part Number=AF0603FR-074K7L
R31: library part RES-200K-0001, "200 kOhms ±1% 0.1W, 1/10W Chip Resistor 0603 (1608 Metric) Automotive AEC-Q200 Thick Film", Manufacturer="Panasonic Electronic Components", Package Size=0603, Power Rating="0.1 W", Resistance="200k +/- 1%", Assembled?=Yes, MFP=ERJ-3EKF2003V
TP1 TP2 TP3 TP4 TP10 TP11: library part TEST-POINT-0001, "Oranange PC Test Point, Miniature Phoisphor Bronze Silver Plating Through Hole Mounting Type"
U2: library part IC-CAN-TRANSCEIVER-0002, "1/1 Transceiver CANbus 8-VSON (3x3)", Manufacturer="Texas Instrument", CAN Capability=FD-CAN, Manufacturer Part Number=TCAN1042HGDRBTQ1
U3: library part IC-LDO-3.3V-0002, "Linear Voltage Regulator IC Positive Fixed 1 Output 500mA SOT-223-4", Current="500 mA", Package=SOT-223-4, Vin=25V, Vout=3.3V
U4: library part IC-LDO-5V-0003, "Linear Voltage Regulator IC Positive Fixed 1 Output 500mA SOT-223-4", Current="500 mA", Manufacturer="Texas Instruments", Package Size=SOT223-4, Assembled?=no, Manufacturer Part Number=UA78M05IDCYR, Type="Low dropout (LDO)"
U5: library part IC-STM32G431CBU6, "128KB 1.71V~3.6V ARM-MSeries 32KB 170MHz FLASH 42 UFQFPN-48(7x7) Microcontroller Units (MCUs/MPUs/SOCs) ROHS", Package=UFQFPN-48, Assembled?=no, Manufacturer Part Number=STM32G431CBU6
X1: library part "Micro-Fit Molex 2 Pin Vertical", Package=43650-0215, DeviceName=43650-0215, DeviceSetName=HEADER_POS2_?, GateName_1=G$1, LibraryName=con-molex-micro-fit-3_0_2, SymbolName_1=HEADER_POS2
X3 X6 X8: library part "Micro-Fit Molex 4 Pin 2 Row Vertical", Package=43045-0412, DeviceName=43045-0412, DeviceSetName=HEADER_POS4_?, GateName_1=G$1, LibraryName=con-molex-micro-fit-3_0_2, SymbolName_1=HEADER_POS4
X4: library part "Micro-Fit Molex 6 Pin 2 Row Vertical", Package=43045-0612, DeviceName=43045-0612, DeviceSetName=HEADER_POS6_?, GateName_1=G$1, LibraryName=con-molex-micro-fit-3_0_2, SymbolName_1=HEADER_POS6
X5: library part HEADER_POS2_?43045-0212, Package=43045-0212, DeviceName=43045-0212, DeviceSetName=HEADER_POS2_?, GateName_1=G$1, LibraryName=con-molex-micro-fit-3_0_2, SymbolName_1=HEADER_POS2
X7: library part "Micro-Fit Molex 8 Pin 2 Row Vertical", Package=43045-0812, DeviceName=43045-0812, DeviceSetName=HEADER_POS8_?, GateName_1=G$1, LibraryName=con-molex-micro-fit-3_0_2, SymbolName_1=HEADER_POS8

## Free pads (board coordinates)
  round 250 hole 150: ""(140,1190) ""(2825,1820) ""(3335,150)

## Via types
v1: diameter 16, hole 8, Top Layer to Bottom Layer, 661 vias
v2: diameter 11.81, hole 7.87, Top Layer to Bottom Layer, 14 vias
v3: diameter 60, hole 30, Top Layer to Bottom Layer, 2 vias

## Nets (pads, with @x,y where several pads share a name; then routed paths per layer and width w, separated by ;. In a path a pad name is that pad's centre, name@x,y a point inside that pad or via, vN(x,y) a via of type N, cw(c..) or ccw(c..) an arc to the next point about the centre after c; other vN are vias at no path point)
5V: C51.1 C54.1 C55.1 TP10.1 U2.3 U4.3 X3.P$4 | length 4217.5
  Top Layer w10: TP10.1@1875,422.9 TP10.1@1875,415 1875,250 2040,85 2125.53,85 2190.53,150 X3.P$4@2195,150 ; C55.1@2756.5,955 2757.48,955 C55.1@2762.48,950 ; 2788.84,924.34 2788.14,924.34 C55.1@2767.48,945 ; C54.1@2823.5,945 C55.1@2767.48,945 ; v1(2837.8,842.2) U2.3@2864.88,842.2 ; v1(3030,1055) 3000,1025 2837.48,1025 C55.1@2762.48,950 ; C55.1@2762.48,950 2757.48,945 C55.1@2767.48,945 ; C55.1@2762.48,950 C55.1@2767.48,945
  Top Layer w50: U4.3@2076.72,1290.87 C51.1@2170,1290.87 2170.39,1290.47 2245.96,1290.47 2252.29,1284.13 v3(2255,1284.13)
  Bottom Layer w10: v1@2788.84,914.34 2788.84,881.16 2826.65,843.35 2836.65,843.35 v1(2837.8,842.2)
  Bottom Layer w50: X3.P$4@2195,150 2275,70 2278.43,70 2300.36,48.07 3098.78,48.07 3150,99.29 3150,935 v1(3030,1055) 2800.87,1284.13 v3(2255,1284.13)
  other v1: 2790,915
12V_MOTOR_BOOT: C11.2 LM1.6 | length 98.5
  Top Layer w10: LM1.6@935,1588.15 935,1531.1 960,1506.1 C11.2@960,1500
12V_MOTOR_EN: LM1.18 R1.1 R2.1 | length 424
  Top Layer w10: LM1.18@994.06,1731.85 LM1.18@994.06,1731.85 994.13,1761.01 1033.12,1800 1155,1800 1169,1786 1169,1767.5 R2.1@1170,1766.5 ; R2.1@1180,1766.5 1180,1765.51 1205.51,1740 1291.5,1740 1312.36,1760.87 1313.35,1760.87 1330,1777.52 R1.1@1330,1778.5
12V_MOTOR_FB: C21.2 LM1.12 R6.2 R7.1 | length 187.4
  Top Layer w10: LM1.12@1049.17,1630.47 1098.98,1630.47 R6.2@1108.5,1640 ; C21.2@1108.5,1580 R6.2@1108.5,1640 ; R7.1@1110,1703.5 1110,1641.5 R6.2@1108.5,1640
12V_MOTOR_MAIN: C12.1 C13.1 C14.1 C15.1 C16.1 C17.1 C18.1 C19.1 C20.1 C21.1 C44.1 C45.1 C46.1 C47.1 C50.1 C52.1 D5.2 D6.2 L1.2 Q3.3 Q4.3 R6.1 R17.2 R18.2 TP4.1 U3.1 U4.1 | length 1376.9
  Top Layer w10: TP4.1@70,825 195,950 355,950 ; C21.1@1155,1543.5 C21.1@1171.5,1560 ; C21.1@1171.5,1580 R6.1@1171.5,1640 1181.5,1650 1235,1650 1270,1685 1447.02,1685 1510,1622.02 1510,1230 1470,1190 1470,1065
12V_MOTOR_PG: LM1.16 Q1.1 R5.1 | length 755.2
  Top Layer w10: LM1.16@1033.43,1731.85 1033.43,1741.54 v1(1050,1758.11) v1@1050,1760 ; v1(1315,1390) 1315,1422.01 R5.1@1305,1432.01 1337.01,1432.01 1350,1445 1350,1501.77 1376.85,1528.62 1376.85,1530.59 1383.66,1537.4 Q1.1@1385.63,1537.4
  Bottom Layer w10: v1(1050,1758.11) 1050,1593.77 1254.92,1388.85 v1@1316.15,1388.85
12V_MOTOR_SW: C11.1 L1.1 LM1.1 LM1.2 LM1.3 LM1.4 LM1.5 TP3.1 | length 934.2
  Top Layer w10: TP3.1@70,945 140,945 400,1205 805,1205 860,1260 860,1263.84 ; L1.1@955.16,1276.85 L1.1@965,1276.85
12V_MOTOR_VCC: C10.1 LM1.8 R4.1 R5.2 | length 597.3
  Top Layer w10: LM1.8@974.37,1588.15 974.37,1550.13 990,1534.5 990,1441.48 1022.14,1409.35 1137.86,1409.35 1168.1,1439.59 1168.1,1466.25 1198.35,1496.5 C10.1@1235,1496.5 1236.5,1495 R5.2@1305,1495 R4.1@1305,1558.5